# Altium PCB Main_Board.PcbDoc (part 16 of 19)
Units mil, origin at the board's own origin, x right, y up, seen from the top; angles counter-clockwise.
Board outline 5306 x 6610 mil, 12 copper layers ((L1) Top, (L2) Inner 1, (L3) Inner 2, (L4) Inner 3, (L5) Inner 4, (L6) Inner 5, (L7) Inner 6, (L8) Inner 7, (L9) Inner 8, (L10) Inner 9, (L11) Inner 10, (L12) Bottom), stack 94.81 mil thick; 347 components, 571 nets, 2611 pads, 4053 vias.
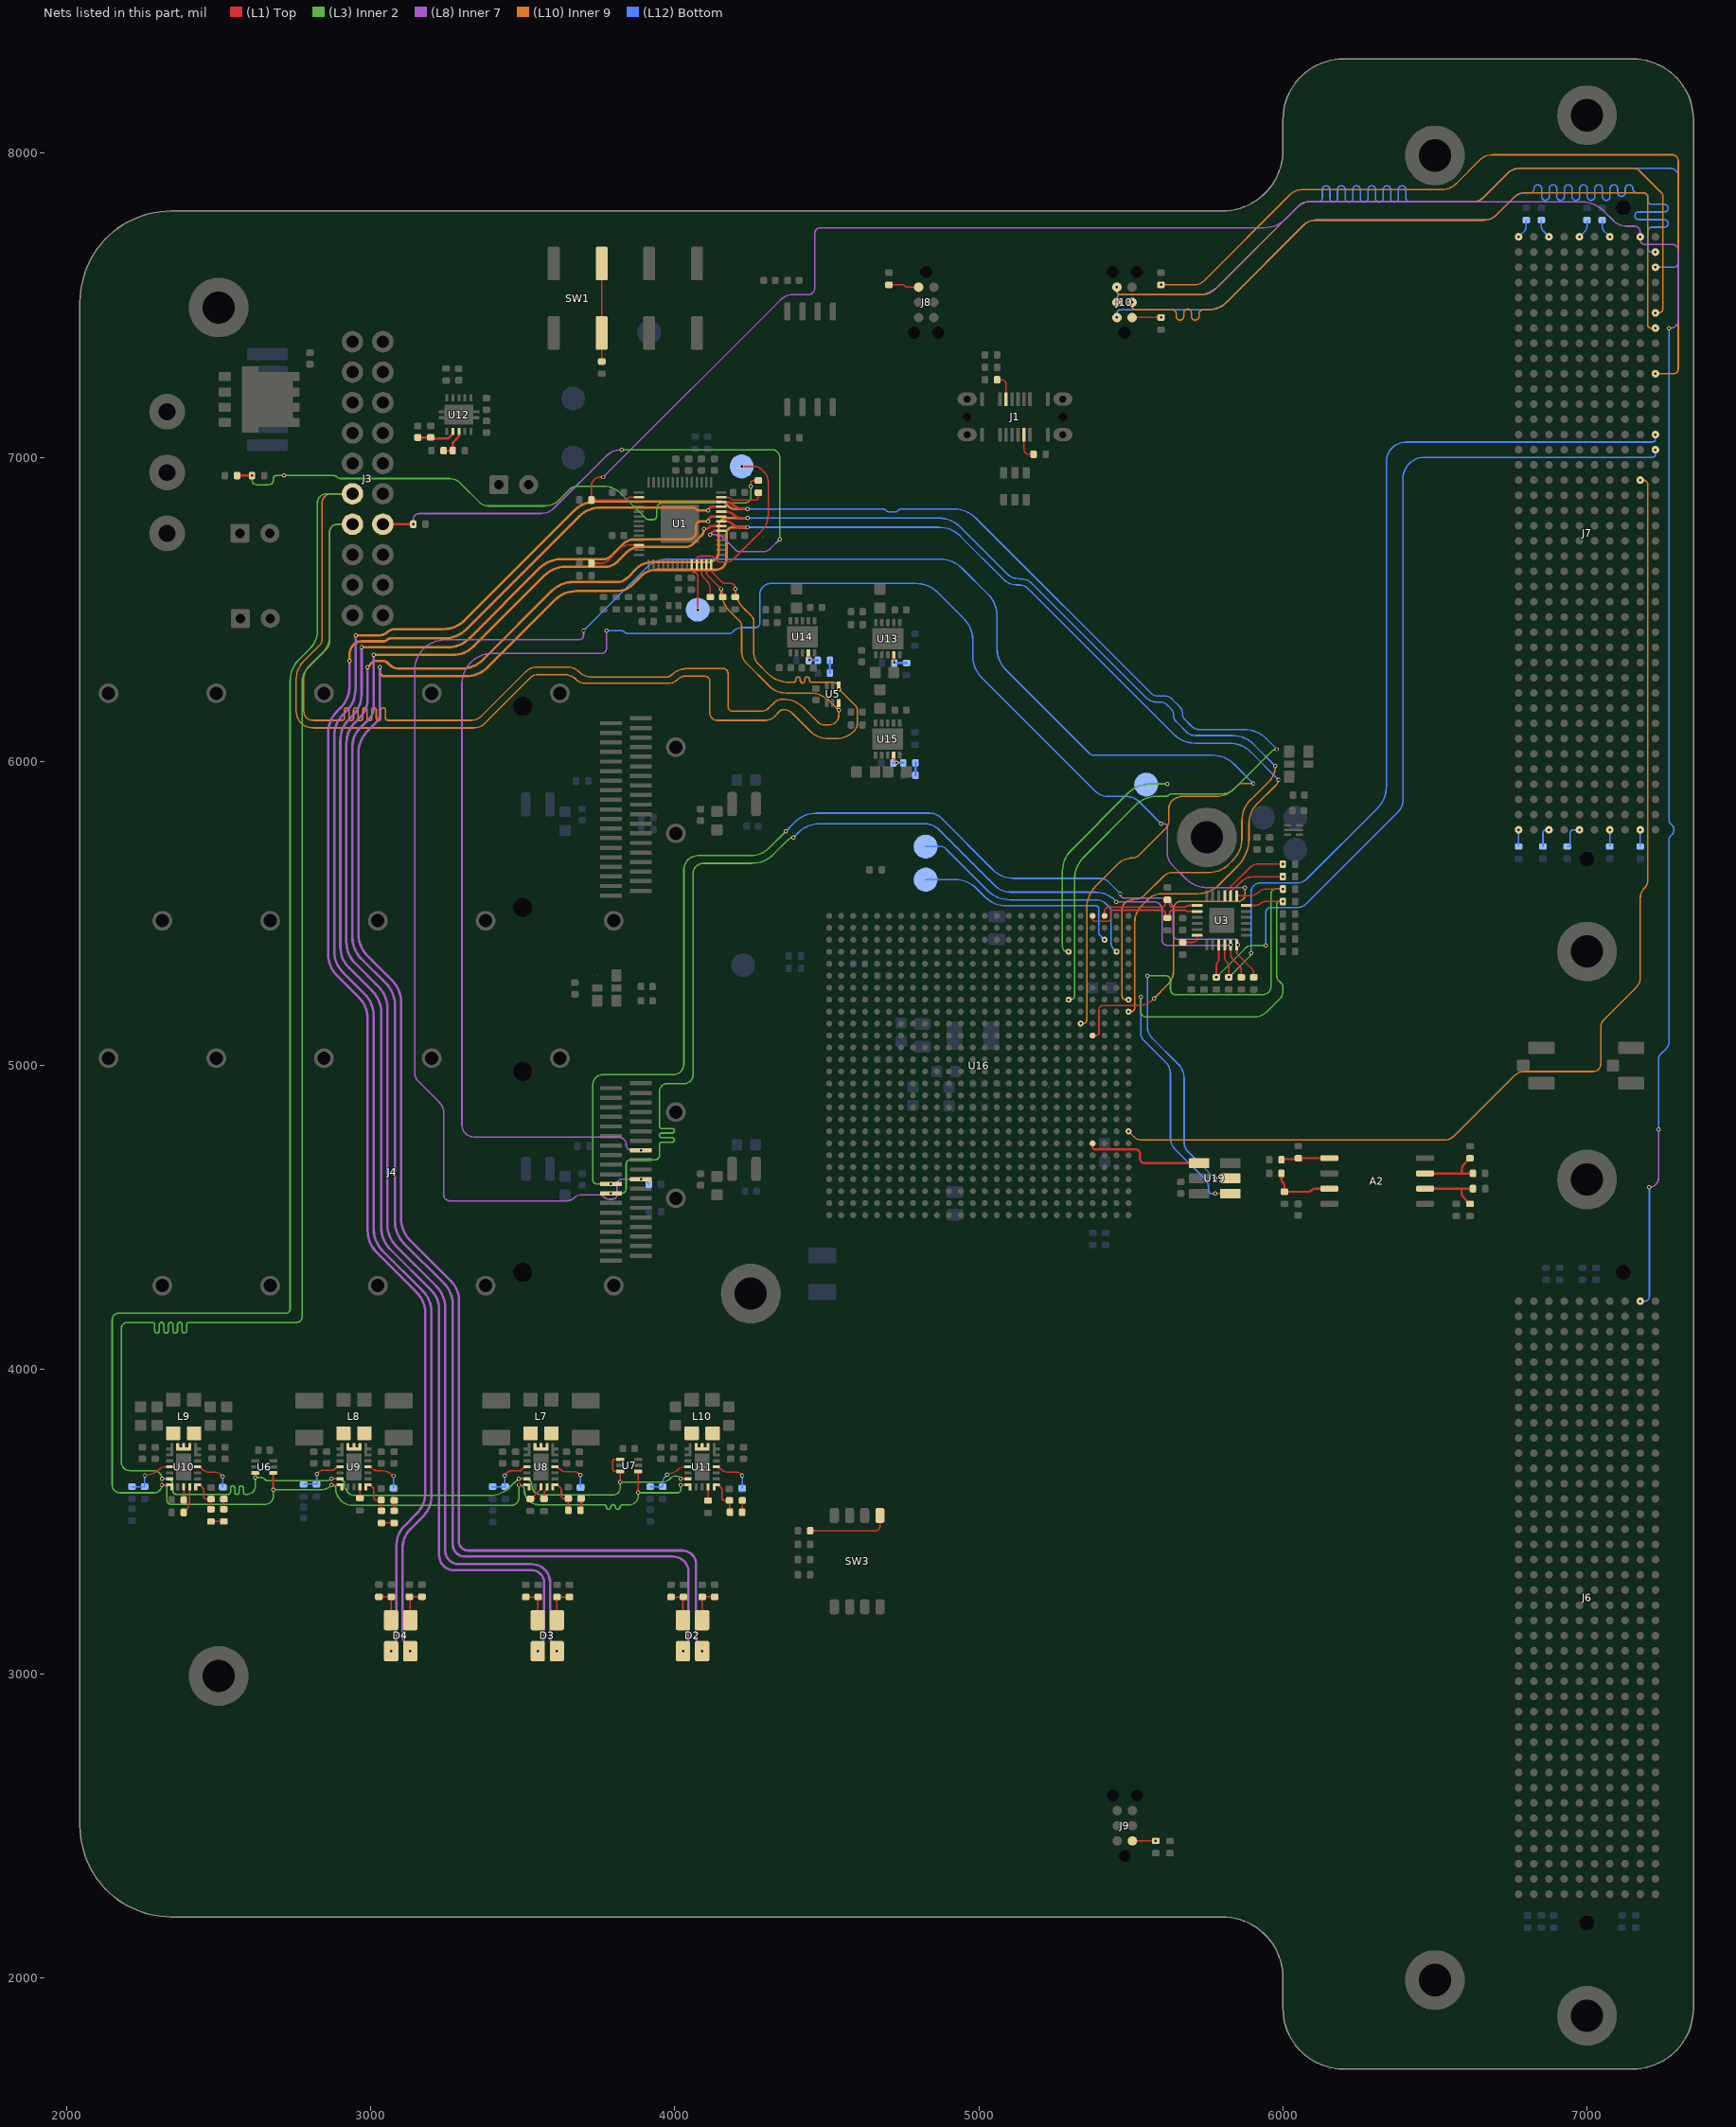
[diagram p26: the nets of this part, all layers, seen from the top]

## Via types
v1: diameter 13.78, hole 7.87, (L1) Top to (L12) Bottom, tented both sides, 4044 vias
v2: diameter 13.78, hole 7.87, (L1) Top to (L12) Bottom, tented bottom, 9 vias

## Nets (pads, with @x,y where several pads share a name; then routed paths per layer and width w, separated by ;. In a path a pad name is that pad's centre, name@x,y a point inside that pad or via, vN(x,y) a via of type N, cw(c..) or ccw(c..) an arc to the next point about the centre after c; other vN are vias at no path point) (continued)
HPCC_B_GP20: J7.B17 U16.W26 | length 3662
  (L10) Inner 9 w5: v1(5492.13,4783.46) 5510.4,4765.19 ccw(c5535,4789.79) 5535,4755 6530,4755 ccw(c6530,4803.28) 6564.14,4769.14 6760.86,4965.86 cw(c6795,4931.72) 6795,4980 7020,4980 ccw(c7020,5005) 7045,5005 7045,5125.86 cw(c7079.14,5125.86) 7055,5150 7160.86,5255.86 ccw(c7126.72,5290) 7175,5290 7175,5548.79 cw(c7226.21,5548.79) 7190,5585 ccw(c7165.86,5609.14) 7200,5609.14 7200,6910 ccw(c7185,6910) 7185,6925 v1(7175,6925)
HPCC_B_I2C_SCL: J7.A14 R43.1 U3.4 | length 3041.8
  (L1) Top w5: U3.4@5808.55,5396.45 5808.55,5355.57 ccw(c5830.57,5355.57) 5815,5340 cw(c5797.94,5322.94) 5822.07,5322.94 v1(5822.07,5290.08)
  (L3) Inner 2 w5: v1(5822.07,5290.08) 5890.06,5358.07 ccw(c5878.13,5370) v1(5895,5370)
  (L12) Bottom w5: v1(5895,5370) 5895,5570 cw(c5925,5570) 5925,5600 6045,5600 ccw(c6045,5648.28) 6079.14,5614.14 6310.71,5845.71 ccw(c6240,5916.42) 6340,5916.42 6340,6985 cw(c6405,6985) 6405,7050 7215,7050 ccw(c7215,7060) 7225,7060 v1(7225,7075)
HPCC_B_I2C_SDA: J7.A15 R42.1 U3.3 | length 2987.2
  (L1) Top w5: v1(5781.03,5290.08) 5781.03,5330.42 cw(c5794.58,5330.42) 5785,5340 ccw(c5775.67,5349.33) 5788.87,5349.33 U3.3@5788.87,5396.45
  (L3) Inner 2 w5: v1(5781.03,5290.08) 5876.02,5385.07 cw(c5900,5361.09) 5900,5395 v1(5943.76,5395)
  (L8) Inner 7 w5: v1(5943.76,5395) cw(c5943.76,5393.09) v1@5945.11,5394.44
  (L12) Bottom w5: v1(5943.76,5395) 5943.76,5503.76 cw(c5960,5503.76) 5960,5520 6050.86,5520 ccw(c6050.86,5554.14) 6075,5530 6377.32,5832.32 ccw(c6334.64,5875) 6395,5875 6395,6930 cw(c6465,6930) 6465,7000 7215,7000 ccw(c7215,7010) 7225,7010 v1(7225,7025)
HPCC_B_JTAG_TCK: J7.A3 J10.4 | length 2923.4
  (L12) Bottom w5: v1(5454.01,7509.66) ccw(c5454.01,7510.66) 5455,7510.66 5455,7525 cw(c5465,7525) 5465,7535 5718.58,7535 ccw(c5718.58,7635) 5789.29,7564.29 6050,7825 cw(c6086.21,7788.79) 6086.21,7840 6114.57,7840 6117.07,7840 ccw(c6117.07,7852.5) 6129.57,7852.5 6129.57,7880.25 cw(c6142.07,7880.25) 6154.57,7880.25 6154.57,7851.59 ccw(c6167.07,7851.59) 6179.57,7851.59 6179.57,7880.25 cw(c6192.07,7880.25) 6204.57,7880.25 6204.57,7851.59 ccw(c6217.07,7851.59) 6229.57,7851.59 6229.57,7880.25 cw(c6242.07,7880.25) 6254.57,7880.25 6254.57,7851.59 ccw(c6267.07,7851.59) 6279.57,7851.59 6279.57,7880.25 cw(c6292.07,7880.25) 6304.57,7880.25 6304.57,7851.59 ccw(c6317.07,7851.59) 6329.57,7851.59 6329.57,7880.25 cw(c6342.07,7880.25) 6354.57,7880.25 6354.57,7851.59 ccw(c6367.07,7851.59) 6379.57,7851.59 6379.57,7880.25 cw(c6392.07,7880.25) 6404.57,7880.25 6404.57,7852.5 ccw(c6417.07,7852.5) 6417.07,7840 6434.59,7840 6625,7840 ccw(c6625,7888.28) 6659.14,7854.14 6740,7935 cw(c6776.21,7898.79) 6776.21,7950 7274.03,7950 cw(c7274.03,7924.03) 7300,7924.03 7300,7640 cw(c7285,7640) 7285,7625 v1(7225,7625)
HPCC_B_JTAG_TDI: J7.A7 J10.3 | length 2421.5
  (L10) Inner 9 w5: v1(5504.01,7509.66) 5504.15,7509.66 5504.15,7496.43 ccw(c5515.58,7496.43) 5515.58,7485 5608.99,7485 5636.49,7485 cw(c5636.49,7472.5) 5648.99,7472.5 5648.99,7463.77 ccw(c5661.49,7463.77) 5673.99,7463.77 5673.99,7475.09 cw(c5686.49,7475.09) 5698.99,7475.09 5698.99,7463.77 ccw(c5711.49,7463.77) 5723.99,7463.77 5723.99,7472.5 cw(c5736.49,7472.5) 5736.49,7485 5753.69,7485 5759.04,7485 ccw(c5759.07,7559.66) 5811.89,7506.89 6070.01,7765.01 cw(c6106.21,7728.79) 6106.21,7780 6660,7780 ccw(c6660,7840.36) 6702.68,7797.68 6760,7855 cw(c6796.21,7818.79) 6796.21,7870 7185,7870 cw(c7185,7855) 7200,7855 7200,7435 ccw(c7210,7435) 7210,7425 v1(7225,7425)
HPCC_B_JTAG_TDO: J7.A6 J10.6 | length 2420.5
  (L10) Inner 9 w5: v1(5454.01,7559.66) 5454.01,7545.99 ccw(c5465,7545.99) 5465,7535 5732.26,7535 ; 5732.29,7535 ccw(c5732.29,7601.89) 5779.61,7554.61 6050,7825 cw(c6086.21,7788.79) 6086.21,7840 6625,7840 ccw(c6625,7888.28) 6659.14,7854.14 6740,7935 cw(c6776.21,7898.79) 6776.21,7950 7155,7950 cw(c7155,7925.86) 7172.07,7942.93 7245,7870 cw(c7232.93,7857.93) 7250,7857.93 7250,7490 cw(c7235,7490) 7235,7475 v1(7225,7475)
HPCC_B_JTAG_TMS: J7.A2 J10.2 | length 2920.2
  (L12) Bottom w5: v1(5454.01,7459.66) 5455,7460.66 5455,7475.46 cw(c5464.54,7475.46) 5464.54,7485 5748.58,7485 ccw(c5748.58,7585) 5819.29,7514.29 6070,7765 cw(c6106.21,7728.79) 6106.21,7780 6665,7780 ccw(c6665,7828.28) 6699.14,7794.14 6760,7855 cw(c6796.21,7818.79) 6796.21,7870 6810.74,7870 6813.24,7870 ccw(c6813.24,7882.5) 6825.74,7882.5 6825.74,7883.52 cw(c6838.24,7883.52) 6850.74,7883.52 6850.74,7857.67 ccw(c6863.24,7857.67) 6875.74,7857.67 6875.74,7883.52 cw(c6888.24,7883.52) 6900.74,7883.52 6900.74,7857.67 ccw(c6913.24,7857.67) 6925.74,7857.67 6925.74,7883.52 cw(c6938.24,7883.52) 6950.74,7883.52 6950.74,7857.67 ccw(c6963.24,7857.67) 6975.74,7857.67 6975.74,7883.52 cw(c6988.24,7883.52) 7000.74,7883.52 7000.74,7857.67 ccw(c7013.24,7857.67) 7025.74,7857.67 7025.74,7883.52 cw(c7038.24,7883.52) 7050.74,7883.52 7050.74,7857.67 ccw(c7063.24,7857.67) 7075.74,7857.67 7075.74,7883.52 cw(c7088.24,7883.52) 7100.74,7883.52 7100.74,7870.43 ccw(c7113.24,7870.43) 7125.74,7870.43 7125.74,7883.52 cw(c7138.24,7883.52) 7150.74,7883.52 7150.74,7882.5 ccw(c7163.24,7882.5) 7163.24,7870 7179.01,7870 7185,7870 cw(c7185,7855) 7200,7855 7200,7846.73 7200,7844.23 ccw(c7212.5,7844.23) 7212.5,7831.73 7254.1,7831.73 cw(c7254.1,7819.23) 7254.1,7806.73 7169.66,7806.73 ccw(c7169.66,7794.23) 7169.66,7781.73 7254.1,7781.73 cw(c7254.1,7769.23) 7254.1,7756.73 7212.5,7756.73 ccw(c7212.5,7744.23) 7200,7744.23 7200,7729.2 7200,7685 ccw(c7210,7685) 7210,7675 v1(7225,7675)
HPCC_B_JTAG_TRST: J7.A10 R135.2 | length 2648.8
  (L10) Inner 9 w5: v1(5599,7567.15) 5707.52,7567.15 ; 5707.55,7567.15 ccw(c5707.55,7614.48) 5741.03,7581.03 6025,7865 cw(c6061.21,7828.79) 6061.21,7880 6521.58,7880 ccw(c6521.61,7948.54) 6570.09,7900.09 6648.26,7978.26 cw(c6688.58,7938.06) 6688.58,7995 7280,7995 cw(c7280,7975) 7300,7975 7300,7289.48 cw(c7285.52,7289.48) 7285.52,7275 v1(7225,7275)
HPCC_B_RES_1: J7.D1 R71.2 | length 64.2
  (L12) Bottom w5: R71.2@7050,7779.92 7050,7760 ccw(c7074.14,7760) 7057.07,7742.93 v1(7075,7725)
HPCC_B_RES_2: J7.F1 R74.2 | length 64.2
  (L12) Bottom w5: v1(6975,7725) 6992.93,7742.93 ccw(c6975.86,7760) 7000,7760 R74.2@7000,7779.92
HPCC_B_RES_3: J7.H1 R77.2 | length 64.3
  (L12) Bottom w5: 6850,7759.56 ccw(c6873.06,7759.55) 6856.82,7743.18 ; 6850,7759.59 6850,7774.61 R77.2@6850,7779.92 ; 6856.85,7743.15 v1(6875,7725)
HPCC_B_RES_4: J7.K1 R72.2 | length 64.2
  (L12) Bottom w5: v1(6775,7725) 6792.93,7742.93 ccw(c6775.86,7760) 6800,7760 R72.2@6800,7779.92
HPCC_B_RES_5: J7.B40 R75.2 | length 54.8
  (L12) Bottom w5: R75.2@7175,5720.16 v1(7175,5775)
HPCC_B_RES_6: J7.D40 R78.2 | length 54.8
  (L12) Bottom w5: R78.2@7075,5720.16 v1(7075,5775)
HPCC_B_RES_7: J7.F40 R73.2 | length 90.6
  (L12) Bottom w5: R73.2@6935,5720.16 6945,5720.16 6945,5765 cw(c6955,5765) 6955,5775 v1(6975,5775)
HPCC_B_RES_8: J7.H40 R76.2 | length 70.6
  (L12) Bottom w5: R76.2@6855,5720.16 6855,5765 cw(c6865,5765) 6865,5775 v1(6875,5775)
HPCC_B_RES_9: J7.K40 R79.2 | length 54.9
  (L12) Bottom w5: R79.2@6775,5720.08 v1(6775,5775)
I2C_FPGA_SCL: R38.1 U3.19 U16.A24 | length 361.9
  (L1) Top w5: U16.A24@5413.39,5492.13 5413.39,5506.39 cw(c5428,5506.39) 5428,5521 5602,5521 ccw(c5602,5532) 5613,5532 5613,5537.92 cw(c5620,5537.92) R38.1@5620,5544.92 cw(c5620,5537.92) 5627,5537.92 5627,5530 ccw(c5636,5530) 5636,5521 5676.76,5521 ccw(c5676.76,5531.24) 5684,5524 cw(c5689.72,5518.28) 5689.72,5526.37 U3.19@5718,5526.37
I2C_FPGA_SDA: R37.1 U3.20 U16.A23 | length 427.2
  (L1) Top w5: U16.A23@5374.02,5492.13 5374.02,5481.98 ccw(c5382,5481.98) 5382,5474 5424,5474 ccw(c5424,5483) 5433,5483 5433,5503 cw(c5441,5503) 5441,5511 5604,5511 cw(c5604,5502) 5613,5502 5613,5492.08 ccw(c5620,5492.08) R37.1@5620,5485.08 ccw(c5620,5492.08) 5627,5492.08 5627,5501 cw(c5637,5501) 5637,5511 5677.17,5511 cw(c5677.17,5504.17) 5682,5509 ccw(c5687.59,5514.59) 5687.59,5506.69 U3.20@5718,5506.69
LEGACY_1: R8.2 U1.12 | length 177.2
  (L1) Top w5: R8.2@3726.08,6651.76 3759.25,6651.76 ccw(c3759.25,6681.97) 3780.61,6660.61 3820,6700 cw(c3846.88,6673.12) 3846.88,6711.13 U1.12@3881.67,6711.13
MC_IND_1G: D2.3 U1.35 | length 5467.6
  (L1) Top w8: v1(4096,6764) 4099.93,6764 ccw(c4099.93,6781.07) 4112,6769 cw(c4124.38,6756.62) 4124.38,6774.13 U1.35@4152.33,6774.13
  (L8) Inner 7 w8: v1(3010,6350) 3010,6177.93 cw(c2954.64,6177.93) 2993.79,6138.79 2965,6110 ccw(c3025.36,6049.64) 2940,6049.64 2940,5421.42 ccw(c3040,5421.42) 2969.29,5350.71 3050.71,5269.29 cw(c2980,5198.58) 3080,5198.58 3080,4486.42 ccw(c3180,4486.42) 3109.29,4415.71 3240.71,4284.29 cw(c3170,4213.58) 3270,4213.58 3270,3425 ccw(c3310,3425) 3310,3385 3995,3385 cw(c3995,3335) 4045,3335 4045,3117.25 cw(c3983.59,3117.25) v1(4027.01,3073.82)
  (L10) Inner 9 w8: v1(3010,6350) 3268.58,6350 ccw(c3268.58,6450) 3339.29,6379.29 3570.71,6610.71 cw(c3641.42,6540) 3641.42,6640 3770,6640 ccw(c3770,6700.36) 3812.68,6657.68 3845,6690 cw(c3881.21,6653.79) 3881.21,6705 4035,6705 ccw(c4035,6741.21) 4060.61,6715.61 4086.81,6741.81 ccw(c4064.62,6764) v1(4096,6764)
MC_IND_1O: D2.1 U1.36 U16.J26 | length 8838.9
  (L1) Top w8: U1.36@4152.33,6789.87 4166.16,6789.87 cw(c4166.16,6756.16) 4190,6780 ccw(c4214.14,6804.14) 4214.14,6770 v1(4240,6770)
  (L8) Inner 7 w8: v1(3030,6310) 3030,6157.93 cw(c2986.72,6157.93) 3017.32,6127.32 2989.29,6099.29 ccw(c3060,6028.58) 2960,6028.58 2960,5431.42 ccw(c3060,5431.42) 2989.29,5360.71 3070.71,5279.29 cw(c3000,5208.58) 3100,5208.58 3100,4496.42 ccw(c3200,4496.42) 3129.29,4425.71 3264.25,4290.75 cw(c3202.07,4228.58) 3290,4228.58 3290,3435 ccw(c3320,3435) 3320,3405 4025,3405 cw(c4025,3360) 4070,3360 4070,3122.11 ccw(c4138.3,3122.11) v1(4090,3073.82)
  (L10) Inner 9 w5: v1(5492.13,5177.17) 5499.8,5177.17 ccw(c5499.8,5190.07) 5512.7,5190.07 5512.7,5471.16 cw(c5588.84,5471.16) 5535,5525 5557.32,5547.32 cw(c5600,5504.64) 5600,5565 5718.8,5565 ccw(c5718.8,5665) 5789.51,5594.29 5852.02,5656.8 ccw(c5764.1,5744.73) 5888.44,5744.73 5888.44,5796.88 cw(c5976.7,5796.88) 5914.29,5859.29 5977.93,5922.93 ccw(c5960.86,5940) v1(5985,5940)
  (L10) Inner 9 w8: v1(3030,6310) 3030,6295 ccw(c3045,6295) 3045,6280 3313.58,6280 ccw(c3313.58,6380) 3384.29,6309.29 3605.71,6530.71 cw(c3676.42,6460) 3676.42,6560 3810,6560 ccw(c3810,6632.43) 3861.21,6581.21 3890,6610 cw(c3938.28,6561.72) 3938.28,6630 4135,6630 ccw(c4135,6665) 4170,6665 4170,6750 cw(c4190,6750) 4190,6770 v1(4240,6770)
  (L12) Bottom w5: v1(4240,6770) 4868.58,6770 cw(c4868.58,6670) 4939.29,6740.71 5082.32,6597.68 ccw(c5125,6640.36) 5125,6580 5135.86,6580 cw(c5135.86,6545.86) 5160,6570 5640.71,6089.29 ccw(c5711.42,6160) 5711.42,6060 5823.58,6060 cw(c5823.58,5960) 5894.29,6030.71 v1(5985,5940)
MC_IND_2G: D3.3 U1.37 | length 5120.2
  (L1) Top w8: v1(4110,6790) cw(c4125.62,6790) 4125.62,6805.62 U1.37@4152.33,6805.62
  (L8) Inner 7 w8: v1(2970,6375) 2970,6221.42 cw(c2870,6221.42) 2940.71,6150.71 2929.29,6139.29 ccw(c3000,6068.58) 2900,6068.58 2900,5391.42 ccw(c3000,5391.42) 2929.29,5320.71 3005.71,5244.29 cw(c2935,5173.58) 3035,5173.58 3035,4466.42 ccw(c3135,4466.42) 3064.29,4395.71 3199.26,4260.74 cw(c3137.07,4198.58) 3225,4198.58 3225,3389.89 ccw(c3275,3389.89) 3275,3339.89 3532.95,3339.89 cw(c3530,3300) 3570,3300 3570,3123.3 cw(c3500.02,3123.3) v1(3549.5,3073.82)
  (L10) Inner 9 w8: v1(2970,6375) 3253.58,6375 ccw(c3253.58,6475) 3324.29,6404.29 3555.71,6635.71 cw(c3626.42,6565) 3626.42,6665 3765,6665 ccw(c3765,6701.21) 3790.61,6675.61 3830,6715 cw(c3866.21,6678.79) 3866.21,6730 4045,6730 ccw(c4045,6755) 4070,6755 4070,6775 cw(c4085,6775) 4085,6790 v1(4110,6790)
MC_IND_2O: D3.1 U1.38 U16.H26 | length 8452.6
  (L1) Top w8: U1.38@4152.33,6821.37 4167.55,6821.37 cw(c4167.55,6782.55) 4195,6810 ccw(c4219.14,6834.14) 4219.14,6800 v1(4240,6800)
  (L8) Inner 7 w8: v1(2990,6310) 2990,6204.35 cw(c2907.07,6204.35) 2965.71,6145.71 2949.29,6129.29 ccw(c3020,6058.58) 2920,6058.58 2920,5406.42 ccw(c3020,5406.42) 2949.29,5335.71 3025.71,5259.29 cw(c2955,5188.58) 3055,5188.58 3055,4476.42 ccw(c3155,4476.42) 3084.29,4405.71 3215.71,4274.29 cw(c3145,4203.58) 3245,4203.58 3245,3405 ccw(c3290,3405) 3290,3360 3530,3360 cw(c3530,3300) 3590,3300 3590,3128.13 ccw(c3666.81,3128.13) v1(3612.5,3073.82)
  (L10) Inner 9 w5: v1(5492.13,5216.54) 5483.46,5216.54 cw(c5483.46,5230) 5470,5230 5470,5510 cw(c5505,5510) 5505,5545 ccw(c5505,5605.36) 5547.68,5562.68 5607.32,5622.32 cw(c5637.93,5591.72) 5637.93,5635 5759.64,5635 ccw(c5759.64,5720.36) 5820,5660 5836.72,5676.72 ccw(c5768.43,5745) 5865,5745 5865,5803.58 cw(c5965,5803.58) 5894.29,5874.29 5953.79,5933.79 ccw(c5902.57,5985) v1(5975,5985)
  (L10) Inner 9 w8: v1(2990,6310) 3005,6325 cw(c3017.07,6312.93) 3017.07,6330 3040,6330 cw(c3040,6305.86) 3057.06,6322.94 3060.86,6319.14 ccw(c3095,6353.28) 3095,6305 3298.58,6305 ccw(c3298.58,6405) 3369.29,6334.29 3595.71,6560.71 cw(c3666.42,6490) 3666.42,6590 3810,6590 ccw(c3810,6638.28) 3844.14,6604.14 3875,6635 cw(c3923.28,6586.72) 3923.28,6655 4110,6655 ccw(c4110,6690) 4145,6690 4145,6775 cw(c4170,6775) 4170,6800 v1(4240,6800)
  (L12) Bottom w5: v1(4240,6800) 4868.58,6800 cw(c4868.58,6700) 4939.29,6770.71 5092.32,6617.68 ccw(c5135,6660.36) 5135,6600 5138.79,6600 cw(c5138.79,6548.79) 5174.99,6585.01 5550.86,6209.14 ccw(c5585,6243.28) 5585,6195 5595.86,6195 cw(c5595.86,6160.86) 5620,6185 5632.93,6172.07 cw(c5615.86,6155) 5640,6155 5640,6154.14 ccw(c5674.14,6154.14) 5650,6130 5684.39,6095.61 ccw(c5710,6121.21) 5710,6085 5833.58,6085 cw(c5833.58,5985) 5904.29,6055.71 v1(5975,5985)
MC_IND_3G: D4.3 U1.39 | length 4879
  (L1) Top w8: v1(4110,6825) cw(c4122.12,6825) 4122.12,6837.12 U1.39@4152.33,6837.12
  (L8) Inner 7 w8: v1(2930,6330) 2930,6245 cw(c2833.43,6245) 2901.72,6176.72 2889.29,6164.29 ccw(c2960,6093.58) 2860,6093.58 2860,5366.42 ccw(c2960,5366.42) 2889.29,5295.71 2960.71,5224.29 cw(c2890,5153.58) 2990,5153.58 2990,4456.42 ccw(c3090,4456.42) 3019.29,4385.71 3150.71,4254.29 cw(c3080,4183.58) 3180,4183.58 3180,3596.42 cw(c3080,3596.42) 3150.71,3525.71 3110,3485 ccw(c3170.36,3424.64) 3085,3424.64 3085,3116.88 cw(c3024.1,3116.88) v1(3067.16,3073.82)
  (L10) Inner 9 w8: v1(2930,6330) 2930,6348.79 cw(c2981.21,6348.79) 2945,6385 cw(c2969.14,6360.86) 2969.14,6395 3042.93,6395 ccw(c3042.93,6412.07) 3055,6400 cw(c3067.07,6387.93) 3067.07,6405 3243.58,6405 ccw(c3243.58,6505) 3314.29,6434.29 3685.71,6805.71 cw(c3756.42,6735) 3756.42,6835 4057.93,6835 cw(c4057.93,6817.93) 4070,6830 ccw(c4082.07,6842.07) 4082.07,6825 v1(4110,6825)
MC_IND_3O: D4.1 U1.40 U16.H21 | length 8412.9
  (L1) Top w8: U1.40@4152.33,6852.87 4171.01,6852.87 cw(c4171.01,6826.01) 4190,6845 ccw(c4226.21,6881.21) 4226.21,6830 v1(4240,6830)
  (L3) Inner 2 w5: v1(5295.28,5216.54) 5301.54,5216.54 ccw(c5301.54,5230) 5315,5230 5315,5613.58 cw(c5415,5613.58) 5344.29,5684.29 5516.72,5856.72 cw(c5585,5788.43) 5585,5885 5614.34,5885 ccw(c5614.34,5898.66) 5624,5889 cw(c5634.01,5878.99) 5634.01,5893.15 5799.31,5893.15 ccw(c5799.31,5950.69) 5840,5910 5962.93,6032.93 cw(c5980,6015.86) v1(5980,6040)
  (L8) Inner 7 w8: v1(2950,6415) 2950,6236.42 cw(c2850,6236.42) 2920.71,6165.71 2909.29,6154.29 ccw(c2980,6083.58) 2880,6083.58 2880,5376.42 ccw(c2980,5376.42) 2909.29,5305.71 2980.71,5234.29 cw(c2910,5163.58) 3010,5163.58 3010,4461.42 ccw(c3110,4461.42) 3039.29,4390.71 3170.71,4259.29 cw(c3100,4188.58) 3200,4188.58 3200,3585 cw(c3103.43,3585) 3171.72,3516.72 3130,3475 ccw(c3190.36,3414.64) 3105,3414.64 3105,3134.55 ccw(c3190.88,3134.55) v1(3130.15,3073.82)
  (L10) Inner 9 w8: v1(2950,6415) 3030.86,6415 ccw(c3030.86,6449.14) 3055,6425 cw(c3079.14,6400.86) 3079.14,6435 3238.58,6435 ccw(c3238.58,6535) 3309.29,6464.29 3670.71,6825.71 cw(c3741.42,6755) 3741.42,6855 3930.35,6855 cw(c3930.31,6847) 3931.38,6854.93 ccw(c3933.89,6872.69) 3933.97,6854.75 4000,6855 4150,6855 cw(c4150,6830.86) 4167.07,6847.93 4175,6840 ccw(c4199.14,6864.14) 4199.14,6830 v1(4240,6830)
  (L12) Bottom w5: v1(4240,6830) 4682.93,6830 cw(c4682.93,6812.93) 4695,6825 ccw(c4707.07,6837.07) 4707.07,6820 4722.93,6820 ccw(c4722.93,6837.07) 4735,6825 4736.46,6826.46 cw(c4745,6817.93) 4745,6830 4918.58,6830 cw(c4918.58,6730) 4989.29,6800.71 5564.39,6225.61 ccw(c5590,6251.21) 5590,6215 5610.86,6215 cw(c5610.86,6180.86) 5635,6205 5659.39,6180.61 cw(c5633.79,6155) 5670,6155 ccw(c5694.14,6155) 5677.07,6137.93 5699.39,6115.61 ccw(c5725,6141.21) 5725,6105 5873.58,6105 cw(c5873.58,6005) 5944.29,6075.71 v1(5980,6040)
MST_PWR_GOOD: J6.B1 J7.B1 R3.1 U1.2 | length 7892
  (L1) Top w5: v1(3765,6935) 3755,6935 ccw(c3755,6906.08) 3726.08,6906.08 R3.1@3726.08,6859.6 cw(c3727.06,6858.62) 3727.06,6860 3832.93,6860 ccw(c3832.93,6877.07) 3845,6865 cw(c3853.73,6856.27) 3853.73,6868.61 U1.2@3881.67,6868.61
  (L8) Inner 7 w5: v1(3765,6935) 4347.32,7517.32 cw(c4390,7474.64) 4390,7535 4440,7535 ccw(c4440,7555) 4460,7555 4460,7735 cw(c4480,7735) 4480,7755 5938.58,7755 ccw(c5938.58,7855) 6009.29,7784.29 6050.86,7825.86 cw(c6085,7791.72) 6085,7840 6983.58,7840 cw(c6983.58,7740) 7054.29,7810.71 7087.32,7777.68 ccw(c7130,7820.36) 7130,7760 7155,7760 cw(c7155,7740) 7175,7740 v1(7175,7725) 7175,7715 ccw(c7190,7715) 7190,7700 7280,7700 cw(c7280,7680) 7300,7680 7300,7450 cw(c7275,7450) 7275,7425 v1(7270,7425) ; v1(7205,4600) ccw(c7205,4630) 7235,4630 v1(7235,4790)
  (L12) Bottom w5: v1(7175,4225) 7190,4225 ccw(c7190,4240) 7205,4240 v1(7205,4600) ; v1(7235,4790) 7235,5020 cw(c7259.14,5020) 7242.07,5037.07 7260,5055 ccw(c7235.86,5079.14) 7270,5079.14 7270,5745 cw(c7282.07,5745) 7273.54,5753.54 7280,5760 ccw(c7267.93,5772.07) 7285,5772.07 7285,5780 ccw(c7272.93,5780) 7281.46,5788.54 7275,5795 cw(c7287.07,5807.07) 7270,5807.07 v1(7270,7425)
NetA2_2: A2.2 R125.1 R129.2 | length 217.8
  (L1) Top w7: A2.2@6467.48,4595 6587.52,4595 ; R125.1@6615,4545.08 6607.72,4550.39 6595,4565 cw(c6613.05,4583.05) 6587.52,4583.05 6587.52,4595 ; R129.2@6624.92,4595 6587.52,4595
NetA2_3: A2.3 R124.1 R128.2 | length 217.4
  (L1) Top w7: A2.3@6467.48,4645 6588.18,4645 ; R124.1@6615,4694.92 6607.72,4689.61 6597.16,4677.48 ccw(c6618.82,4655.81) 6588.18,4655.81 6588.18,4645 ; R128.2@6624.92,4645 6588.18,4645
NetA2_5: A2.5 R126.1 R130.2 | length 159.5
  (L1) Top w7: R130.2@5995.08,4690 5997.54,4692.46 6048.23,4692.46 R126.1@6050.69,4694.92 6050.73,4694.96 A2.5@6152.52,4695 A2.5@6152.52,4695
NetA2_7: A2.7 R123.1 R127.2 | length 212.7
  (L1) Top w7: R127.2@5995.08,4645 5995.08,4626.88 ccw(c6011.88,4626.88) 6000,4615 cw(c5987.93,4602.93) 6005,4602.93 R123.1@6005,4585.08 6083.12,4585.08 ccw(c6083.12,4601.88) 6095,4590 cw(c6107.07,4577.93) 6107.07,4595 A2.7@6152.52,4595
NetC46_1: C46.1 R83.2 | length 39.1
  (L1) Top w5: R83.2@3690.08,3537.55 ccw(c3685.09,3542.54) 3692.15,3542.54 C46.1@3692.15,3576.12
NetC55_1: C55.1 R88.2 | length 34.2
  (L1) Top w4: R88.2@3077.15,3535.77 C55.1@3077.15,3569.99
NetC66_1: C66.1 R95.2 | length 34
  (L1) Top w4: R95.2@2516.94,3540.69 2516.94,3573.99 C66.1@2517.63,3573.99
NetC75_1: C75.1 R101.2 | length 39.5
  (L1) Top w4: R101.2@4221.59,3530.92 4221.59,3568.97 cw(c4222.51,3568.97) C75.1@4222.51,3569.89
NetC81_2: C81.2 C82.2 U12.7 | length 129.9
  (L1) Top w8: C82.2@3154.76,7065 cw(c3156.17,7063.58) 3156.17,7065.58 C81.2@3197.64,7065.58 ccw(c3206.29,7074.24) 3206.29,7062 3250.34,7062 ccw(c3250.34,7075.66) 3260,7066 3269.59,7077.07 U12.7@3270.32,7084.88
NetD2_2: D2.2 R25.2 R26.2 | length 117.2
  (L1) Top w5: D2.2@4090,3176.18 4090,3251.94 R26.2@4090.19,3252.12 ; R26.2@4090.19,3252.12 cw(c4091.52,3250.79) 4091.52,3252.67 R25.2@4131.22,3252.67
NetD2_4: D2.4 R27.2 R28.2 | length 117.4
  (L1) Top w5: R28.2@3987.47,3252.22 3987.58,3252.12 R27.2@4028.51,3252.12 ccw(c4032.12,3248.51) 4027.01,3248.51 D2.4@4027.01,3176.18
NetD3_2: D3.2 R29.2 R30.2 | length 117.1
  (L1) Top w5: D3.2@3612.5,3176.18 3612.5,3251.93 R29.2@3612.68,3252.12 R30.2@3653.72,3252.12